# Altium PCB AATB-V2.PcbDoc (part 2 of 5) (continued)
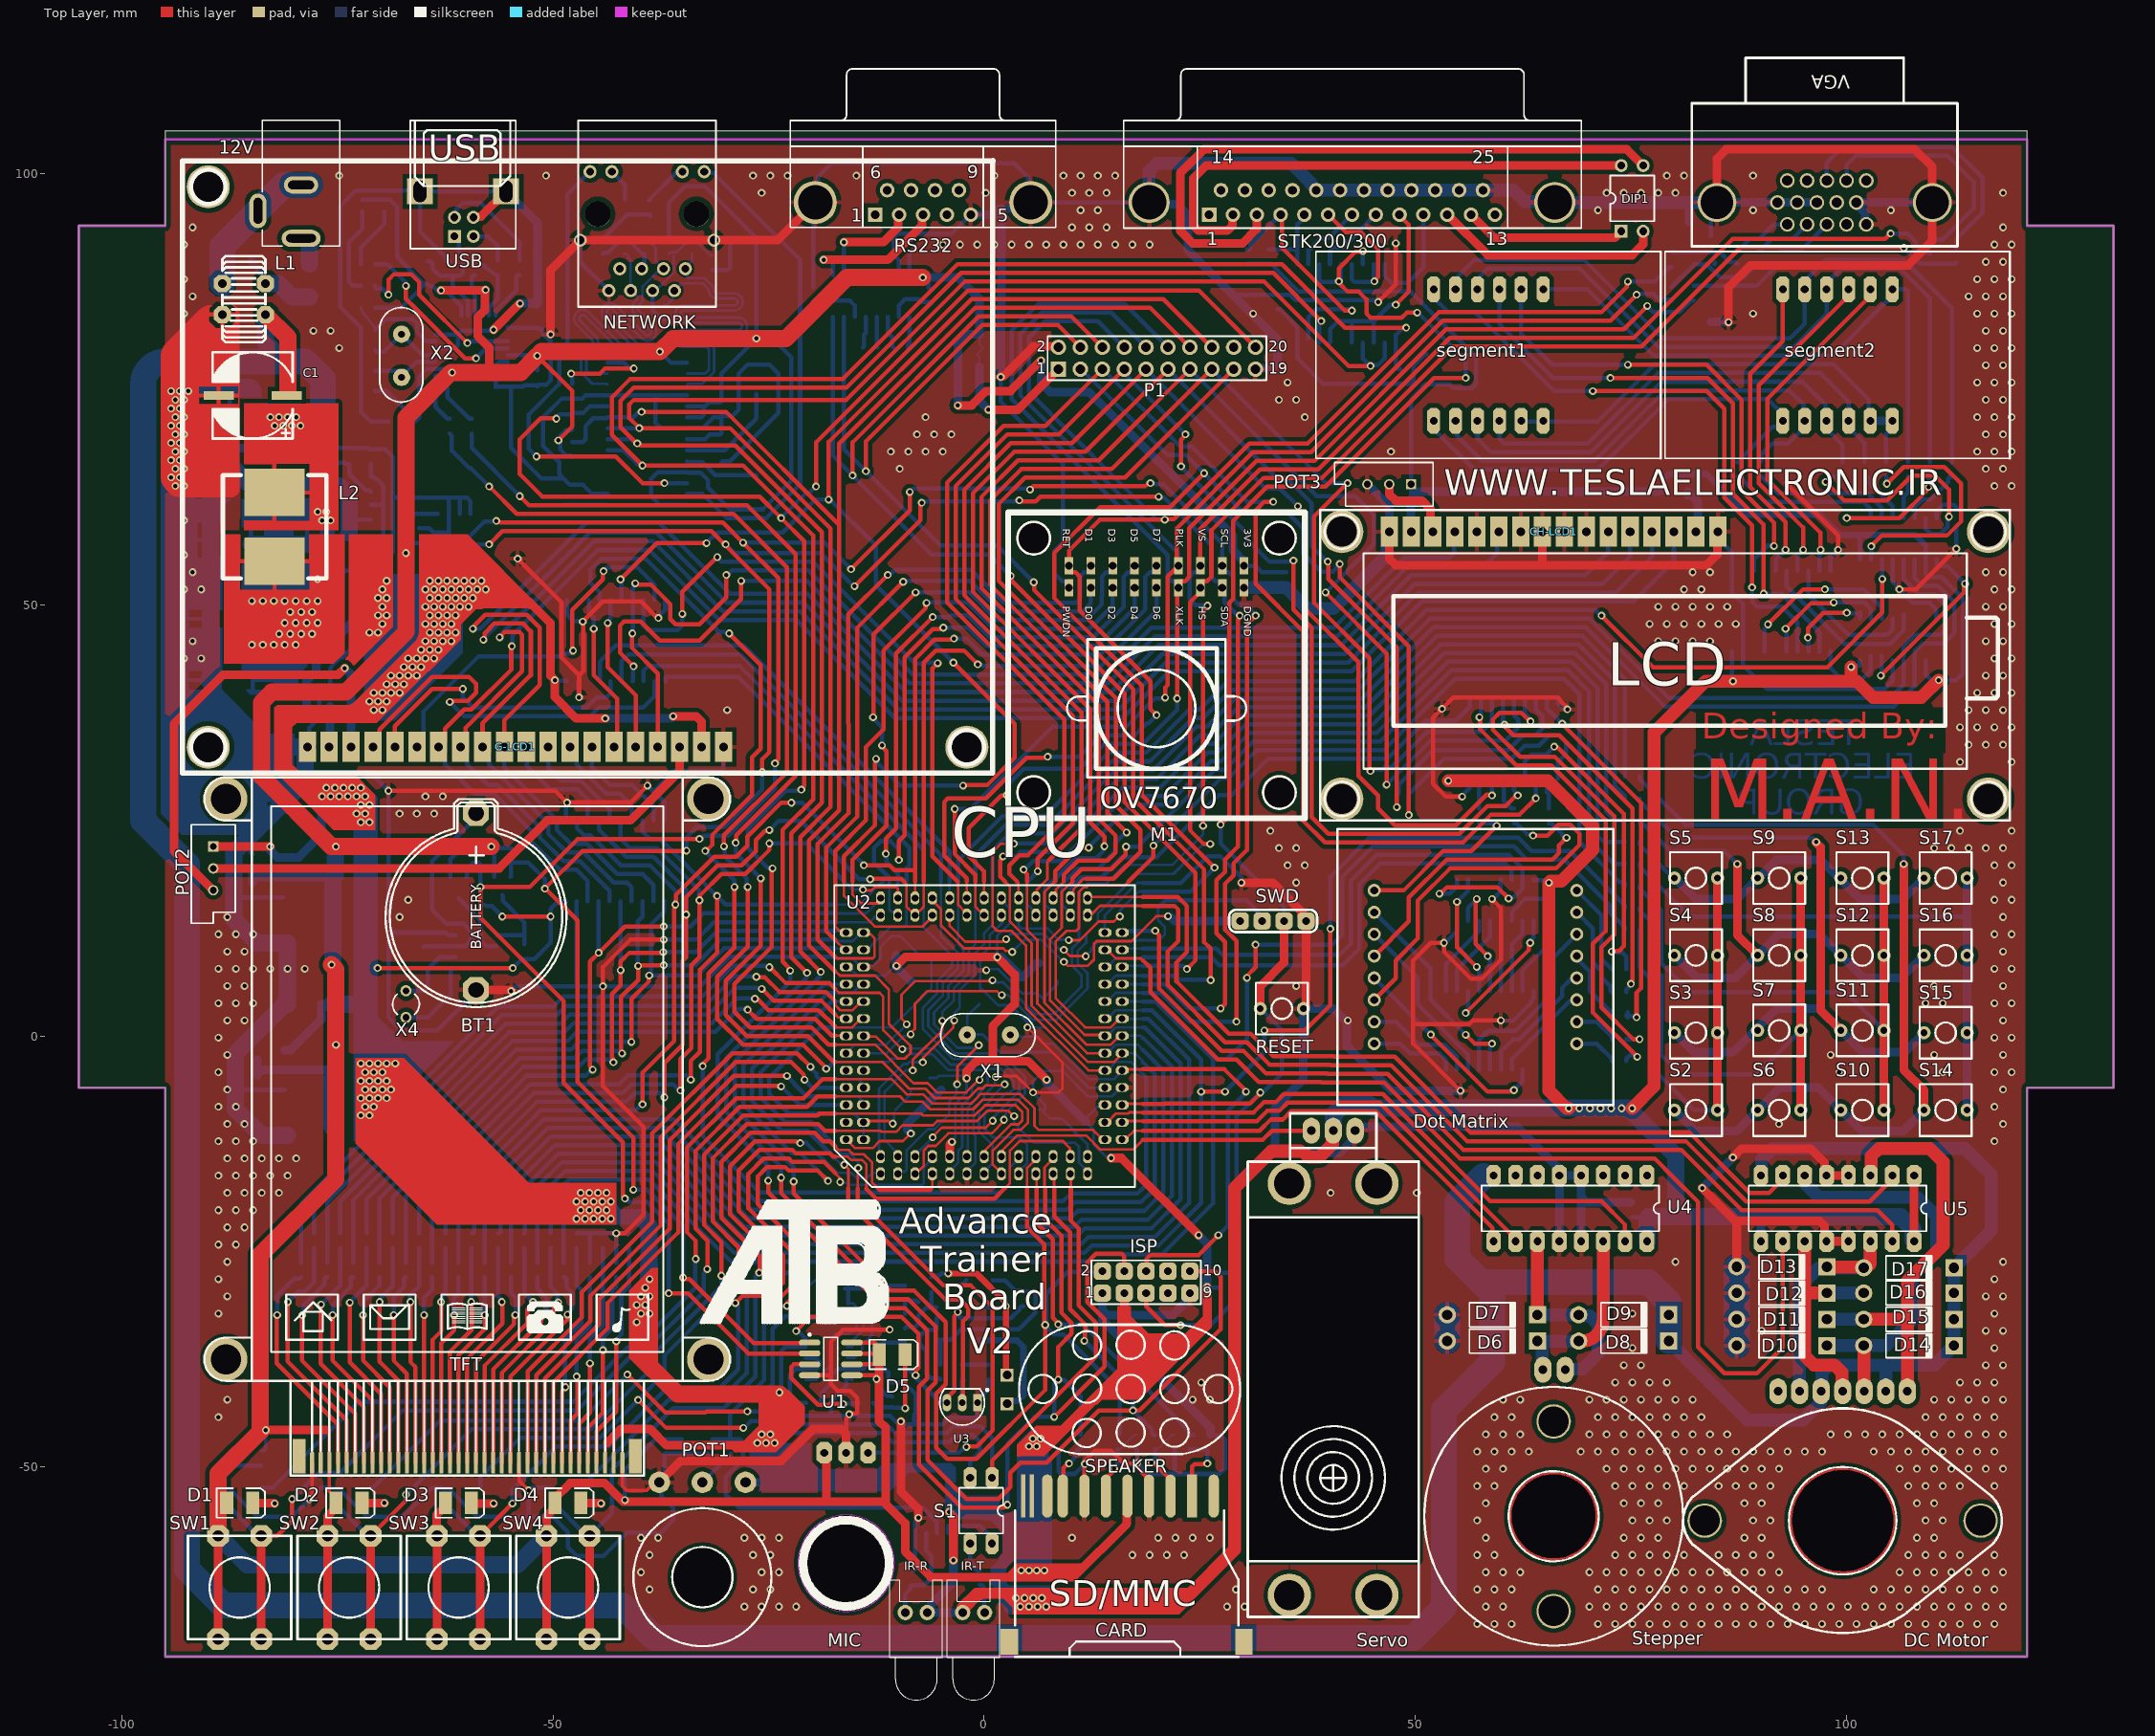
[diagram p0: Top Layer view]
## Nets (pads, with @x,y where several pads share a name; then routed paths per layer and width w, separated by ;. In a path a pad name is that pad's centre, name@x,y a point inside that pad or via, vN(x,y) a via of type N, cw(c..) or ccw(c..) an arc to the next point about the centre after c; other vN are vias at no path point) (continued)
  Bottom Layer w0.7: 78.228,63.128 R16.2@78.756,63.656 ; R16.2@78.91,63.128 78.91,64.686 79.384,65.16 83.816,65.16 88.524,60.452 97.028,60.452 99.35,58.13 101.374,58.13 107.986,58.13 109.216,56.9
  Bottom Layer w1: v1(-82.808,21.98) -82.756,21.928 -82.756,21.496 -81.984,20.724 U24.3@-81.284,20.724 -79.492,20.724 -76.886,23.33 -76.886,25.994 -76.836,26.044 C41.1@-75.636,26.044 ; U23.3@-81.136,-1.628 -80.436,-1.628 -76.886,1.922 -76.886,3.642 -76.836,3.692 C39.1@-75.636,3.692 ; R110.2@-78.57,38.236 -78.57,41.217 -77.562,42.225 C42.2@-77.562,42.3 -77.462,42.4 -77.462,43.201 -75.018,45.645 -75.018,46.255 -72.601,48.672 L7.2@-72.335,48.672 ; v1(-43.944,36.85) -36.302,36.85 v1(-36.068,37.084) ; POT1.2@-27.675,-51.412 POT1.2@-27.675,-51.775 -11.275,-51.775 -9.656,-50.156 -4.708,-50.156 -4.031,-50.833 v1(-4.031,-55.199) ; IR-R.1@-6.955,-66.875 IR-R.1@-6.807,-66.875 ; v1(-3.56,-60.824) -3.56,-63.364 -6.207,-66.011 -6.207,-66.275 IR-R.1@-6.807,-66.875 ; IR-T.2@-2.486,-66.875 IR-R.1@-6.596,-66.875 IR-R.1@-6.807,-66.875 ; CH-LCD1.2@49.5,58.5 49.52,58.52 49.52,62.282 50.366,63.128 78.228,63.128 ; 89.912,-21.2 106.536,-21.2 106.676,-21.2 107.69,-22.214 107.69,-22.354 107.69,-23.61 107.74,-23.66 U5.16@107.89,-23.81 ; U5.9@90.11,-23.81 90.11,-21.398
  Bottom Layer w2: C39.1@-75.636,3.692 -72.804,3.692 -71.632,4.864 ; -71.632,23.504 -71.632,4.864 ; -67.587,-4.925 -67.587,-2.054 -71.632,1.992 -71.632,4.864 ; -39.567,-21.279 -38.862,-21.984 -38.862,-27.686 ; Servo.2@40.5,-10.98 40.5,-9.152 41.672,-7.98 44.776,-7.98 45.153,-8.357 73.956,-8.357 74.705,-8.357 80.26,-13.912 80.26,-20.96 ; U4.16@76.89,-23.81 76.89,-21.154 77.084,-20.96 80.26,-20.96 ; U5.16@107.74,-23.66 107.74,-22.404 107.69,-22.354 106.536,-21.2 106.296,-20.96 80.26,-20.96
  other v1: 4.2,-66.2 5.2,-66.2 6.2,-66.2 7.2,-66.2 3.7,-65.2 4.7,-65.2 5.7,-65.2 6.7,-65.2 -26.3,-47.2 -25.3,-47.2 -24.3,-47.2 -25.8,-46.2 -24.8,-46.2 -40.3,-33.2 -39.8,-32.2 -38.8,-32.2 -40.3,-31.2 -39.3,-31.2 -39.8,-30.2 -38.8,-30.2 -39.3,-29.2 -38.8,-28.2 -47.3,-21.2 -46.3,-21.2 -45.3,-21.2 -44.3,-21.2 -43.3,-21.2 -46.8,-20.2 -45.8,-20.2 -44.8,-20.2 -43.8,-20.2 -47.3,-19.2 -46.3,-19.2 -45.3,-19.2 -44.3,-19.2 -43.3,-19.2 -46.8,-18.2 -45.8,-18.2 -44.8,-18.2 -43.8,-18.2 -72.3,-9.2 -71.3,-9.2 69.046,-8.382 70.273,-8.382 71.501,-8.382 72.729,-8.382 73.956,-8.382 -71.8,-8.2 -70.8,-8.2 -72.3,-7.2 -71.3,-7.2 -70.3,-7.2 -69.3,-7.2 -71.8,-6.2 -70.8,-6.2 -69.8,-6.2 -68.8,-6.2 -72.3,-5.2 -71.3,-5.2 -70.3,-5.2 -69.3,-5.2 -71.8,-4.2 -70.8,-4.2 -69.8,-4.2 -72.3,-3.2 -71.3,-3.2 -70.3,-3.2 -69.3,-3.2 -68.3,-3.2 -72.3,24.8 -71.3,24.8 -72.8,25.8 -71.8,25.8 -72.3,26.8 -71.3,26.8 -76.8,27.8 -75.8,27.8 -74.8,27.8 -73.8,27.8 -72.8,27.8 -71.8,27.8 -76.3,28.8 -75.3,28.8 -74.3,28.8 -73.3,28.8 -72.3,28.8 -70.8,37.8 -69.8,37.8 -71.3,38.8 -70.3,38.8 -69.3,38.8 -70.8,39.8 -69.8,39.8 -68.8,39.8 -67.8,39.8 -69.3,40.8 -68.3,40.8 -67.3,40.8 -68.8,41.8 -67.8,41.8 -66.8,41.8 -65.8,41.8 -67.3,42.8 -66.3,42.8 -65.3,42.8 -66.8,43.8 -65.8,43.8 -64.8,43.8 -63.8,43.8 -65.3,44.8 -64.3,44.8 -63.3,44.8 -64.8,45.8 -63.8,45.8 -62.8,45.8 -61.8,45.8 -71.3,46.8 -70.3,46.8 -64.3,46.8 -63.3,46.8 -62.3,46.8 -61.3,46.8 -69.8,47.8 -64.8,47.8 -63.8,47.8 -62.8,47.8 -61.8,47.8 -70.3,48.8 -69.3,48.8 -64.3,48.8 -63.3,48.8 -62.3,48.8 -61.3,48.8 -69.8,49.8 -64.8,49.8 -63.8,49.8 -62.8,49.8 -61.8,49.8 -60.8,49.8 -59.8,49.8 -70.3,50.8 -69.3,50.8 -64.3,50.8 -63.3,50.8 -62.3,50.8 -61.3,50.8 -60.3,50.8 -59.3,50.8 -69.8,51.8 -64.8,51.8 -63.8,51.8 -62.8,51.8 -61.8,51.8 -60.8,51.8 -59.8,51.8 -58.8,51.8 -57.8,51.8 -69.3,52.8 -64.3,52.8 -63.3,52.8 -62.3,52.8 -61.3,52.8 -60.3,52.8 -59.3,52.8 -58.3,52.8
+12V: "DC Motor.2" "DC Motor.5" C1.1 D8.2 D9.2 D14.2 D15.2 D16.2 D17.2 L1.1 U4.8 U5.8 U25.1 | length 512.2
  Top Layer w2: L1.1@-83.356,83.653 -80.776,81.073 -80.776,74.812
  Bottom Layer w1.5: D8.2@79.426,-35.392 88.602,-44.568 94.992,-44.568 97,-42.56 97,-41.316 97.192,-41.124 97.192,-39.037 98.07,-38.158 110.252,-38.158 112.252,-36.158 D14.2@112.502,-35.908 D15.2@112.502,-32.86 D16.2@112.502,-29.812 D17.2@112.502,-26.891 116.836,-22.557 116.836,-16.12 113.788,-13.072 91.436,-13.072 90.21,-14.298 90.21,-16.09 U5.8@90.11,-16.19 ; 104.596,-41.22 104.644,-41.172 104.644,-38.472
  Bottom Layer w2: L1.1@-83.356,83.653 -83.356,80.44 -81.792,78.876 ; -76.712,72.272 -76.712,73.796
  Bottom Layer w3: -76.712,73.796 -76.712,76.204 -78.74,78.232 -94.996,78.232 ccw(c-94.996,75.692) -97.536,75.692 -97.536,24.98 -92.46,19.904 -92.46,-61.855 -88.276,-66.039 -42.033,-66.039 -38.222,-69.85 49.78,-69.85 53.336,-66.294 53.336,-43.438 58.924,-37.85 58.924,-29.836 57.66,-28.573 ; 57.912,-16.256 54.864,-19.304 54.864,-25.776 57.66,-28.573 ; D8.2@79.426,-35.392 D9.2@79.426,-32.344 79.426,-30.912 77.087,-28.573 57.66,-28.573
A: R2.1 segment1.10 segment2.10 | length 90.4
  Bottom Layer w0.5: segment1.10@54.69,86.62 54.961,86.891 54.961,88.121 56.892,90.052 69.592,90.052 78.736,80.908 93.468,80.908 95.19,82.63 segment2.10@95.19,86.62 95.19,87.599 97.627,90.036 106.67,90.036 112.264,84.442 R2.1@112.264,66.518
A1: segment2.7 U7.9@96.901,53.976 | length 40.2
  Top Layer w0.5: v1(97.028,56.388) 97.028,58.379 90.88,64.527 90.88,73.94 102.81,85.87 segment2.7@102.81,86.62
  Bottom Layer w0.5: U7.9@96.901,53.976 96.901,56.153 97.028,56.28 v1(97.028,56.388)
A2: segment2.8 U7.7@94.361,53.976 | length 39.3
  Top Layer w0.5: v1(94.996,56.388) 94.996,58.997 89.88,64.113 89.88,75.48 100.27,85.87 segment2.8@100.27,86.62
  Bottom Layer w0.5: U7.7@94.361,53.976 94.361,55.753 v1(94.996,56.388)
A3: segment2.11 U7.5@91.821,53.976 | length 36.4
  Top Layer w0.5: segment2.11@92.65,86.62 92.65,80.598 88.88,76.828 88.88,63.699 92.964,59.615 v1(92.964,56.388)
  Bottom Layer w0.5: U7.5@91.821,53.976 91.84,53.995 91.84,55.264 v1(92.964,56.388)
A4: segment1.7 U7.3@89.281,53.976 | length 56.7
  Top Layer w0.5: v1(74.672,77.86) 83.816,77.86 87.88,73.796 87.88,63.284 91.624,59.54 v1(91.624,56.83)
  Bottom Layer w0.5: segment1.7@62.31,86.62 62.31,81.454 65.904,77.86 v1(74.672,77.86) ; U7.3@89.281,53.976 89.3,53.995 89.3,55.264 90.932,56.896 91.558,56.896 v1(91.624,56.83)
A5: segment1.8 U7.12@96.901,44.576 | length 69.6
  Top Layer w0.5: v1(72.64,76.336) 83.926,76.336 86.864,73.398 86.864,62.886 90.424,59.326 v1@90.424,51.328
  Bottom Layer w0.5: segment1.8@59.77,87.141 59.77,82.58 66.014,76.336 v1(72.64,76.336) ; v1(90.424,51.308) 92.456,51.308 96.901,46.863 U7.12@96.901,44.576
A6: segment1.11 U7.14@94.361,44.576 | length 73.9
  Top Layer w0.5: v1(70.608,74.812) 83.832,74.812 85.864,72.78 85.864,62.472 89.084,59.252 v1(89.084,52.042)
  Bottom Layer w0.5: segment1.11@52.15,87.088 52.15,85.65 53.844,83.956 56.98,83.956 66.124,74.812 v1(70.608,74.812) ; v1(89.084,52.042) 89.084,50.401 89.701,49.784 92.566,49.784 94.361,47.989 U7.14@94.361,44.576
ADC_LEVEL: C26.2 R57.1 U2.82 U14.2 | length 117
  Top Layer w0.5: v1(-22.864,-31.312) -22.787,-31.235 -22.787,-30.915 -21.336,-29.464 -21.336,-24.384 -26.237,-19.483 -26.237,-16.286 -25.179,-15.228 -23.061,-15.228 -22.661,-15.627 -19.291,-15.627 v1(-18.106,-16.812)
  Bottom Layer w0.3: -17.276,6 U2.82@-16,6
  Bottom Layer w0.5: C26.2@-31.5,-46.766 R57.1@-29.468,-46.766 ; v1(-22.864,-31.312) -22.941,-31.389 -23.37,-31.389 -25.542,-33.561 -25.542,-39.932 -29.468,-43.858 R57.1@-29.468,-46.766 ; v1(-18.106,-16.812) -21.291,-13.627 -22.262,-13.627 -27.912,-7.977 -27.912,-3.368 -18.544,6 -17.276,6 ; U14.2@-5.465,-57.636 -5.484,-57.617 -5.484,-56.325 -7.123,-54.686 -28.494,-54.686 -29.976,-53.204 -29.976,-51.172 -27.944,-49.14 -27.944,-47.108 -28.286,-46.766 R57.1@-29.468,-46.766
ADC_MIC: MIC.2 U2.84 | length 85.8
  Top Layer w0.3: -14.65,-17.667 -14.65,-17.28 -14.65,-15.366 v1(-14.6,-15.316)
  Top Layer w0.5: -14.65,-17.667 -14.65,-19.009 -4.721,-28.938 -1.542,-28.938 1.012,-31.492 1.012,-45.724 -0.858,-47.594 -1.959,-47.594 v1(-2.036,-47.671)
  Bottom Layer w0.3: -17.276,-12.783 -17.276,-12.925 -16.518,-13.682 -15.53,-13.682 -14.6,-14.613 v1(-14.6,-15.316) ; -17.276,4 U2.84@-16,4
  Bottom Layer w0.5: -17.276,-12.783 -20.051,-10.008 -23.053,-10.008 -25.912,-7.149 -25.912,-4.196 -17.716,4 -17.276,4 ; MIC.2@-13.46,-48.352 -2.925,-48.352 -2.244,-47.671 v1(-2.036,-47.671)
AVCC: C5.1 C6.1 L3.1 U2.100 | length 15.5
  Top Layer w0.3: U2.100@-16,-12 -15.912,-12 -15.469,-12.444 -15.469,-12.505 -14.973,-13 -12.925,-13 -12.117,-12.192 -9.403,-12.192 -8.526,-11.315 v1(-8.497,-11.315)
  Bottom Layer w1: v1(-8.497,-11.315) -8.89,-10.922 -8.89,-10.162 -6.841,-8.113 L3.1@-4.971,-6.243
B: R5.2 segment1.6 segment2.6 | length 69.6
  Bottom Layer w0.5: segment1.6@64.85,86.099 segment1.6@64.85,86.62 69.976,86.62 77.688,78.908 98.388,78.908 105.35,85.87 segment2.6@105.35,86.62 106.928,86.62 107.184,86.364 R5.2@107.184,66.576
C: R7.2 segment1.3 segment2.3 | length 56.6
  Bottom Layer w0.5: segment1.3@59.27,72.401 59.77,71.901 segment1.3@59.77,71.38 59.77,69.262 60.316,68.716 69.99,68.716 78.182,76.908 96.96,76.908 100.27,73.598 segment2.3@100.27,71.38 100.27,70.63 102.104,68.796 R7.2@102.104,66.576
CGND: C29.1 C31.2 C32.2 C33.1 C34.1 C35.1 L5.2 U20.29 U20.31 USB.4 USB.5 | length 98.1
  Top Layer w1: USB.4@-59.24,94.966 -59.144,95.062 -58.344,95.062 USB.5@-55.44,97.966 ; v1(-56.9,81.924) -53.856,84.968 v1(-53.848,84.968)
  Bottom Layer w0.5: C31.2@-69.093,71.256 -71.124,71.256 -72.316,72.448 C32.2@-72.316,74.812 C33.1@-72.316,77.183 C34.1@-72.316,79.553 C35.1@-72.316,81.924 -72.316,82.199 -74.68,84.563 -74.68,96.261 -72.851,98.09 -66.69,98.09 -66.69,98.18 -66.67,98.2 -66.67,99.196 USB.5@-65.44,97.966 ; U20.29@-63.64,79.784 -61.365,79.784 -61.033,80.116 -61.033,80.849 -60.996,80.886 -60.996,81.384 ; U20.31@-63.64,81.384 -60.996,81.384 ; C29.1@-61.98,89.886 -62.255,89.886 -62.405,90.036 -62.405,90.311 -65.44,93.346 USB.5@-65.44,97.966 ; v1(-56.9,81.924) -57.024,81.8 -60.58,81.8 -60.996,81.384 ; USB.5@-55.44,97.966 USB.5@-65.44,97.966 ; L5.2@-52.107,85.019 -52.328,84.798 -51.995,84.798 -51.995,84.573 -51.766,84.705 L5.2@-51.659,84.766 ; L5.2@-51.82,84.798 L5.2@-51.82,85.052
  Bottom Layer w1: USB.5@-55.44,97.966 -51.82,94.346 -51.82,85.052 -51.853,85.019 -52.107,85.019 -53.796,85.019 v1(-53.848,84.968)
CLCD-EN: P1.16 U2.70 U18.6 | length 178.4
  Top Layer w0.3: -16.26,17.916 -16.26,16.26 -12.7,12.7 -7.112,12.7 U2.70@-5.816,13.996
  Top Layer w0.5: v1(-42.168,52.968) -37.965,57.171 v1(-32.211,57.171) ; v1(-18.016,62.217) -18.016,68.923 -1.443,85.496 20.808,85.496 P1.16@26.412,79.892 ; -16.26,17.916 -16.26,20.854 -12.684,24.43 -12.684,31.693 -12.597,31.781 -12.597,32.063 v1(-12.52,32.14) ; v1(-3.56,43.316) 3.552,36.204 3.552,32.288 0.356,29.092 -2.388,29.092 v1(-2.43,29.05)
  Bottom Layer w0.5: v1(-42.168,52.968) -42.041,52.841 U18.6@-42.041,50.556 ; v1(-32.211,57.171) -30.962,58.42 -23.368,58.42 -19.571,62.217 v1(-18.016,62.217) v1@-17.784,62.217 ; v1@-17.784,62.112 -12.565,56.893 -12.565,52.321 v1(-3.56,43.316) ; v1(-12.52,32.14) -12.443,32.063 -12.443,31.747 -9.746,29.05 v1(-2.43,29.05)
CLCD-EN-TTL: CH-LCD1.6 U18.14 | length 127.8
  Top Layer w0.5: v1(-40.656,42.893) -42.252,44.489 -42.252,47.595 -41.761,48.086 -39.826,48.086 -37.612,45.872 -33.008,45.872 -28.185,50.695 v1(-28.185,52.786)
  Bottom Layer w0.5: U18.14@-40.771,41.156 -40.752,41.175 -40.752,42.797 v1(-40.656,42.893) ; v1(-28.185,52.786) -20.54,52.786 -8.674,40.92 -0.72,40.92 0.936,40.92 14.392,40.92 19.822,46.35 40.99,46.35 49.118,54.478 57.978,54.478 59.5,56 CH-LCD1.6@59.5,58.5
D: R13.2 segment1.1 segment2.1 | length 57.9
  Bottom Layer w0.5: segment1.1@54.69,71.901 54.853,71.739 54.853,69.607 57.744,66.716 70.819,66.716 79.011,74.908 93.372,74.908 95.077,73.203 95.077,71.493 segment2.1@95.19,71.38 95.19,70.63 93.276,68.716 91.436,68.716 90.153,67.433 90.153,66.726 90.003,66.576 R13.2@89.912,66.576
DATA0: M1.3 R105.2 U2.78 U19.11 | length 157.3
  Top Layer w0.3: -17.276,11.13 -16.146,10 U2.78@-16,10
  Top Layer w0.5: v1(-40.903,-0.692) -40.903,4.309 -38.872,6.34 -38.872,6.988 v1(-38.848,7.012) ; -17.276,11.13 -18.292,12.146 -18.292,21.87 -14.736,25.426 -14.736,47.343 v1(-9.384,52.696)
  Bottom Layer w0.3: -17.276,10.176 -17.244,10.176 -17.214,10.146 -16.146,10.146 U2.78@-16,10
  Bottom Layer w0.5: R105.2@-71.632,-22.89 -71.632,-18.923 -54.297,-1.588 -47.893,-1.588 -46.997,-0.692 v1(-40.903,-0.692) ; U19.11@-37.089,15.629 -37.108,15.61 -37.108,14.449 -38.608,12.949 -38.608,7.36 -38.848,7.121 v1(-38.848,7.012) -33.308,7.012 -30.144,10.176 -17.276,10.176 ; v1(-9.384,52.696) -9.25,52.829 -1.672,52.829 1.907,49.25 11.408,49.25 12.38,50.222 M1.3@12.38,52
DATA1: M1.4 R99.2 U2.77 U19.13 | length 174.9
  Top Layer w0.3: -17.276,9.148 -17.128,9 -12.925,9 -12.7,9.225 -12.7,11.34 -13.172,11.812 -13.4,11.812 U2.77@-13.496,11.908
  Top Layer w0.5: v1(-41.98,-2.032) -42.057,-1.955 -42.057,-1.673 -42.103,-1.626 -42.103,4.523 -40.132,6.494 v1(-40.132,8.128) -40.055,8.205 -39.353,8.205 -39.345,8.212 v1(-37.16,8.212) ; -17.276,9.148 -19.308,11.18 -19.308,22.268 -15.736,25.84 -15.736,36.188 -15.752,36.204 -15.752,48.904 v1(-11.18,53.476)
  Bottom Layer w0.3: -17.276,11.176 -17.244,11.176 -17.068,11 -15.25,11 -14.114,12.136 U2.77@-14.01,12.136
  Bottom Layer w0.5: R99.2@-70.108,-26.28 -70.108,-18.813 -53.883,-2.588 -47.479,-2.588 -46.603,-1.712 -42.408,-1.712 -42.088,-2.032 v1(-41.98,-2.032) ; v1(-40.132,8.128) -40.159,8.155 -40.159,13.321 -39.628,13.852 U19.13@-39.629,15.629 ; v1(-37.16,8.212) -33.522,8.212 -30.559,11.176 -17.276,11.176 ; v1(-11.18,53.476) -10.972,53.476 -10.367,54.081 -1.51,54.081 2.321,50.25 10.651,50.25 11.13,50.729 11.13,53.311 11.609,53.79 12.13,53.79 12.38,54.04 M1.4@12.38,54.54
DATA2: M1.5 R98.2 U2.76 U19.15 | length 154.3
  Top Layer w0.3: -17.276,13.138 -17.276,12.704 -16.76,12.188 -16.188,12.188 U2.76@-16,12
  Top Layer w0.5: v1(-43,-3.048) -43.077,-2.971 -43.077,-2.633 -43.18,-2.529 -43.18,4.86 -42.164,5.876 -42.164,8.636 -41.14,9.66 -37.291,9.66 v1(-37.214,9.737) ; -17.276,13.138 -17.276,21.472 -13.72,25.028 -13.72,33.524 -11.684,35.56 -11.684,44.704 -6.77,49.618 -6.77,50.167 v1(-6.693,50.244)
  Bottom Layer w0.3: -17.276,12.208 -15.717,12.208 U2.76@-15.642,12.282
  Bottom Layer w0.5: R98.2@-68.584,-22.89 -68.584,-18.703 -53.469,-3.588 -47.065,-3.588 -46.189,-2.712 -43.444,-2.712 -43.108,-3.048 v1(-43,-3.048) ; U19.15@-42.169,15.629 -42.169,7.625 v1(-42.164,7.62) ; v1(-37.214,9.737) -33.412,9.737 -30.941,12.208 -17.276,12.208 ; v1(-6.693,50.244) -6.648,50.289 -1.961,50.289 1.078,47.25 12.237,47.25 14.92,49.933 M1.5@14.92,52
DATA3: M1.6 R97.2 U2.75 U19.17 | length 163.4
  Top Layer w0.3: -15.26,17.916 -15.26,16.398 -14.238,15.376 -12.256,15.376 U2.75@-11.934,15.698
  Top Layer w0.5: v1(-45.4,-3.912) -45.4,-3.804 -45.724,-3.48 -45.724,8.632 v1(-44.704,9.652) -41.656,12.7 v1(-37.16,12.7) ; -15.26,17.916 -15.26,20.44 -11.32,24.38 -11.32,33.056 -11.851,33.587 v1(-11.851,33.695) ; v1(-12.884,36.966) -12.807,37.042 -12.807,46.581 v1(-7.944,51.444)
  Bottom Layer w0.3: -17.276,14.224 -13.678,14.224 U2.75@-11.766,16.136
  Bottom Layer w0.5: R97.2@-67.06,-26.28 -67.06,-18.593 -53.055,-4.588 -46.184,-4.588 -45.508,-3.912 v1(-45.4,-3.912) ; U19.17@-44.709,15.629 -44.706,15.626 -44.706,9.654 v1(-44.704,9.652) ; v1(-37.16,12.7) -34.066,12.7 -32.542,14.224 -17.276,14.224 ; v1(-12.884,36.966) -12.884,36.858 -11.851,35.825 v1(-11.851,33.695) ; v1(-7.944,51.444) -1.701,51.444 1.493,48.25 11.822,48.25 13.63,50.058 13.63,50.978 13.67,51.018 13.67,53.311 14.149,53.79 14.67,53.79 14.92,54.04 M1.6@14.92,54.54
DATA4: M1.7 R96.2 U2.74 U19.8 | length 170.5
  Top Layer w0.5: v1(-34.02,-5.08) -34.04,-5.06 -34.04,-2.912 -32.96,-1.832 -32.96,7.68 -30.988,9.652 v1(-30.988,16.256) ; v1(-9.879,20.425) -9.879,22.633 -9.208,23.304 -9.208,43.945 -5.938,47.215 -4.877,47.215 v1(-4.731,47.361)
  Bottom Layer w0.3: -17.276,15.24 -14.467,15.24 -11.791,17.916 ; -11,17.916 -11,14.688 -10.674,14.362 -9.876,14.362 U2.74@-9.65,14.136
  Bottom Layer w0.5: R96.2@-65.536,-22.89 -65.536,-18.484 -52.64,-5.588 -42.304,-5.588 -41.263,-4.547 -40.722,-4.547 -40.715,-4.541 -34.529,-4.541 -34.02,-5.05 v1(-34.02,-5.08) ; U19.8@-39.629,25.029 -39.61,25.01 -39.61,23.696 -38.694,22.78 -37.512,22.78 v1(-30.988,16.256) -29.972,15.24 -17.276,15.24 ; -11.791,17.916 -11.353,18.354 -11,18.354 ; -11,17.916 -11,18.354 ; v1(-9.879,20.425) -9.879,21.626 -10.848,22.595 -11.979,22.595 -12.753,21.821 -12.753,20.107 -11.176,18.531 -11,18.354 ; v1(-4.731,47.361) -1.861,47.361 0.25,45.25 13.065,45.25 17.46,49.645 M1.7@17.46,52
DATA5: M1.8 R95.1 U2.73 U19.6 | length 176.1
  Top Layer w0.3: v1(-14.06,16.99) -13.945,16.876 -13.096,16.876 -12.7,17.272 -10.176,17.272 -10,17.096 U2.73@-10,16
  Top Layer w0.5: v1(-35.22,-6.321) -35.22,-2.677 -33.96,-1.418 -33.96,8.204 -33.02,9.144 v1@-33.02,15.834 ; v1(-33.02,15.748) -32.943,15.825 -32.943,16.333 -30.483,18.793 -27.706,18.793 -24.896,21.603 v1(-24.896,22.344) ; v1(-11.4,21.139) -11.4,22.886 -10.208,24.077 -10.208,44.359 v1(-5.964,48.603)
  Bottom Layer w0.3: -16.198,17.916 -15.272,16.99 v1(-14.06,16.99) ; -10,17.916 -10,16.486 U2.73@-9.65,16.136
  Bottom Layer w0.5: R95.1@-64.012,-26.28 -64.012,-18.374 -52.275,-6.637 -41.939,-6.637 -40.906,-5.604 -36.045,-5.604 -35.328,-6.321 v1(-35.22,-6.321) ; U19.6@-42.169,25.029 -42.169,22.865 -41.084,21.78 -37.926,21.78 -33.094,16.948 -33.094,15.822 v1(-33.02,15.748) ; v1(-24.896,22.344) -20.626,22.344 -16.198,17.916 ; v1(-11.4,21.139) -11.324,21.062 -11.324,20.165 -10,18.841 -10,17.916 ; v1(-5.964,48.603) -4.007,48.603 -3.819,48.791 -1.877,48.791 0.664,46.25 12.651,46.25 16.172,49.771 16.172,53.273 16.689,53.79 17.21,53.79 17.46,54.04 M1.8@17.46,54.54
DATA6: M1.9 R93.1 U2.72 U19.4 | length 177.4
  Top Layer w0.3: -9.287,17.916 -8.994,17.623 -8.994,16.713 -9,16.707 -9,15.03 -9,15 -8.75,14.75 -8.729,14.729 -8.539,14.539 ; -8.518,14.518 -8.4,14.518 -8.335,14.453 U2.72@-7.84,14.453 ; U2.72@-8.4,14.488 U2.72@-8,14.088 ; -7,17.916 -7,15 -7.482,14.518 -7.57,14.518 U2.72@-8,14.088 ; U2.72@-8,14.088 U2.72@-8,14 U2.72@-8,14.088
  Top Layer w0.5: v1(-37.084,-7.112) -37.084,-3.128 -34.96,-1.004 -34.96,8.728 -34.598,9.09 v1@-34.598,14.008 ; v1@-34.598,14.041 -34.598,16.092 -30.897,19.793 -28.12,19.793 -26.483,21.43 -26.483,22.716 -25.4,23.799 -24.969,23.799 v1(-24.892,23.876) ; v1(-13.216,18.183) -13.174,18.225 -9.596,18.225 -9.287,17.916 ; -7,17.916 -7,20.45 -7,43.324 -5.62,44.704 -2.315,44.704 v1(-0.731,43.12)
  Bottom Layer w0.5: R93.1@-62.488,-22.89 -62.488,-18.264 -51.861,-7.637 -41.525,-7.637 -40.492,-6.604 -37.592,-6.604 v1(-37.084,-7.112) ; U19.4@-44.709,25.029 -44.69,25.01 -44.69,23.972 -41.498,20.78 -38.34,20.78 -34.561,17 v1(-34.561,14.079) ; v1(-24.892,23.876) -23.832,24.936 -21.248,24.936 -14.495,18.183 v1(-13.216,18.183) ; v1(-0.731,43.12) -0.655,43.043 -0.305,43.043 -0.182,42.92 0.108,42.92 13.563,42.92 20,49.357 M1.9@20,52
DATA7: M1.10 R91.1 U2.71 U19.2 | length 176.7
  Top Layer w0.3: U2.71@-8,16 -8,17.804
  Top Layer w0.5: v1(-39.624,-7.926) -39.624,-4.253 -35.96,-0.589 -35.96,14.798 -35.875,14.883 -35.875,15.166 v1(-35.798,15.243) ; v1@-35.722,15.243 -35.722,16.383 -31.311,20.793 -28.755,20.793 -27.483,22.065 -27.483,23.13 -23.556,27.057 -22.359,27.057 v1(-22.356,27.06) ; v1(-13.953,19.818) -10.977,19.818 -10.384,19.225 -8.112,19.225 ; -8,17.916 -8,19.225 -8,43.739 -5.763,45.976 -3.613,45.976 v1(-3.479,46.109)
  Bottom Layer w0.5: R91.1@-60.964,-26.28 -60.964,-18.154 -51.447,-8.637 -40.443,-8.637 -39.732,-7.926 v1(-39.624,-7.926) ; U19.2@-47.249,25.029 -47.23,25.01 -47.23,24.095 -46.414,23.279 -45.631,23.279 -42.132,19.78 -38.755,19.78 -35.761,16.786 -35.761,15.281 v1(-35.798,15.243) ; v1(-22.356,27.06) -21.11,27.06 -13.953,19.903 v1(-13.953,19.818) ; v1(-3.479,46.109) -2.023,46.109 -0.164,44.25 13.479,44.25 18.71,49.481 18.71,53.271 19.229,53.79 19.75,53.79 20,54.04 M1.10@20,54.54
DATA8: R26.1 R89.1 U2.35 | length 239.6
  Top Layer w0.3: v1(3.457,22.3) 1.948,22.3 1,21.352 1,17.916 1,12.716 1.524,12.192 3.182,12.192 4.868,10.506 4.868,3.236 12.104,-4 U2.35@14.368,-4
  Bottom Layer w0.3: U2.35@14.504,-3.864 14.504,-3.789 15.293,-3 16.977,-3 18.432,-4.455 ; 18.401,-17.667 18.432,-17.636
  Bottom Layer w0.5: R89.1@-59.44,-22.89 -59.296,-22.89 -59.146,-22.74 -59.146,-17.751 -51.032,-9.637 -36.006,-9.637 -26.475,-19.168 9.173,-19.168 10.053,-18.288 17.78,-18.288 18.401,-17.667 ; v1(3.457,22.3) 3.509,22.352 8.124,22.352 15.632,29.86 20.062,29.86 25.069,34.867 26.242,34.867 29.515,38.14 44.275,38.14 52.547,46.412 69.371,46.412 74.33,41.453 R26.1@74.33,30.108 ; 18.432,-17.636 18.792,-17.276 18.792,-4.815 18.432,-4.455
DATA9: R25.1 R84.1 U2.36 | length 242
  Top Layer w0.3: 2.431,17.916 3,17.347 3,13.293 5.518,10.775 5.518,3.505 12.023,-3 15.118,-3 U2.36@16.254,-1.864
  Top Layer w0.5: v1(2.2,20.828) 2.2,20.72 1.9,20.42 1.9,18.447 2.193,18.154 2.431,17.916
  Bottom Layer w0.3: U2.36@16,-2 17.5,-2 18.432,-2.932
  Bottom Layer w0.345: 18.432,-3.041 18.432,-2.932
  Bottom Layer w0.5: R84.1@-57.916,-26.28 -57.916,-17.935 -50.618,-10.637 -36.42,-10.637 -26.889,-20.168 9.587,-20.168 10.467,-19.288 17.686,-19.288 18.194,-19.288 19.792,-17.69 19.792,-17.182 19.792,-16.307 19.792,-4.401 18.432,-3.041 ; v1(2.2,20.828) 3.683,20.828 4.191,21.336 8.523,21.336 16.047,28.86 20.476,28.86 25.483,33.867 26.656,33.867 29.929,37.14 44.689,37.14 52.961,45.412 68.957,45.412 73.148,41.221 73.148,29.025 74.33,27.843 R25.1@74.33,27.568
DATA10: R24.1 R82.1 U2.37 | length 235.8
  Top Layer w0.3: 5,17.916 5,12.292 6.168,11.124 6.168,3.774 11.942,-2 U2.37@14.368,-2
  Top Layer w0.5: v1(4.572,19.304) 4.572,19.196 5,18.768 5,17.916
  Bottom Layer w0.3: U2.37@14.504,-1.864 14.504,-1.789 15.293,-1 17.805,-1 18.432,-1.627
  Bottom Layer w0.5: R82.1@-56.392,-22.89 -56.245,-22.89 -56.095,-22.74 -56.095,-17.528 -50.204,-11.637 -36.834,-11.637 -27.303,-21.168 10.001,-21.168 10.881,-20.288 18.1,-20.288 18.608,-20.288 20.792,-18.104 20.792,-17.596 20.792,-16.721 20.792,-3.987 18.432,-1.627 ; v1(4.572,19.304) 4.68,19.304 5.696,20.32 8.921,20.32 16.461,27.86 20.89,27.86 25.897,32.867 27.07,32.867 30.343,36.14 45.103,36.14 53.375,44.412 68.543,44.412 72.148,40.807 72.148,26.028 73.148,25.028 R24.1@74.33,25.028
DATA11: R23.1 R80.2 U2.38 | length 236.7
  Top Layer w0.3: 8.199,17.916 7,16.717 7,3.862 11.862,-1 14.707,-1 15.707,0 U2.38@16,0
  Top Layer w0.5: 8.199,17.916 8.264,17.982 8.264,19.123 10.942,21.8 12.098,21.8 v1(12.142,21.844)
  Bottom Layer w0.3: U2.38@16.504,0.125 16.6,0.029 18.19,0.029 18.432,-0.213
  Bottom Layer w0.5: R80.2@-54.868,-26.28 -54.868,-17.715 -49.79,-12.637 -37.249,-12.637 -27.718,-22.168 10.415,-22.168 11.295,-21.288 18.515,-21.288 19.023,-21.288 21.792,-18.519 21.792,-18.011 21.792,-17.135 21.792,-3.573 18.432,-0.213 ; v1(12.142,21.844) 12.142,21.931 17.07,26.86 21.305,26.86 26.312,31.867 27.484,31.867 30.757,35.14 45.517,35.14 53.789,43.412 68.128,43.412 71.148,40.392 71.148,23.252 71.912,22.488 R23.1@74.33,22.488
DATA12: R22.1 R77.2 U2.39 | length 232.6
  Top Layer w0.3: 10.229,17.916 10.229,17.905 9.574,17.25 9.543,17.25 9,16.707 9,12.556 7.65,11.206 7.65,4.131 11.645,0.136 U2.39@14.504,0.136
  Top Layer w0.5: 10.229,17.916 10.229,18 10.264,18.036 10.264,18.294 11.318,19.348 14.731,19.348 16.396,21.013 16.396,21.883 v1(16.472,21.959)
  Bottom Layer w0.3: U2.39@14.504,0.136 14.504,0.211 15.293,1 16.707,1 18.432,1
  Bottom Layer w0.5: R77.2@-53.344,-22.89 -53.266,-22.812 -53.266,-17.528 -49.376,-13.637 -37.663,-13.637 -28.132,-23.168 10.83,-23.168 11.71,-22.288 18.929,-22.288 19.437,-22.288 22.792,-18.933 22.792,-18.425 22.792,-17.55 22.792,-3.159 18.633,1 18.432,1 ; v1(16.472,21.959) 17.818,21.959 26.726,30.867 27.899,30.867 31.172,34.14 45.931,34.14 54.203,42.412 67.714,42.412 70.148,39.978 70.148,22.838 73.038,19.948 R22.1@74.33,19.948
DATA13: R21.1 R76.2 U2.40 | length 235.5
  Top Layer w0.3: U2.40@16,2 15.707,2 14.707,1 11.7,1 8.3,4.4 8.3,10.937 9.555,12.192 10.668,12.192 11,12.524 11,16.707 11.543,17.25 11.911,17.25 12.136,17.475 16.319,17.475 16.76,17.916
  Top Layer w0.5: 16.76,17.916 19.65,20.806 v1(19.65,22.094)
  Bottom Layer w0.3: U2.40@16.504,2.136 16.64,2 18.432,2
  Bottom Layer w0.5: R76.2@-51.82,-26.28 -51.82,-17.496 -48.961,-14.637 -38.077,-14.637 -28.546,-24.168 11.244,-24.168 12.124,-23.288 19.343,-23.288 19.851,-23.288 23.792,-19.347 23.792,-18.839 23.792,-17.964 23.792,-2.744 19.048,2 18.432,2 ; v1(19.65,22.094) 27.423,29.867 28.313,29.867 31.586,33.14 46.346,33.14 54.618,41.412 67.3,41.412 69.047,39.665 69.047,22.525 73.739,17.833 74.18,17.833 74.33,17.683 R21.1@74.33,17.408
DATA14: R20.1 R75.2 U2.41 | length 193.4
  Top Layer w0.3: U2.41@14.254,2.136 U2.41@14.504,2.136
  Top Layer w0.5: v1(25.177,-6.468) v1(27.947,-6.468) ; v1(32.508,0.644) 32.51,0.642 37.218,0.642 40.176,3.6 v1(40.176,12.429)
  Bottom Layer w0.3: U2.41@14.504,2.136 14.504,2.211 15.293,3 18.432,3
  Bottom Layer w0.5: R75.2@-50.296,-22.89 -50.296,-17.386 -48.547,-15.637 -38.491,-15.637 -28.96,-25.168 11.658,-25.168 12.538,-24.288 20.265,-24.288 25.177,-19.376 v1(25.177,-6.468) ; 18.432,3 19.462,3 25.177,-2.715 25.177,-6.179 v1@25.032,-6.324 ; v1(27.947,-6.468) 27.947,-6.457 32.508,-1.896 v1(32.508,0.644) ; v1(40.176,12.429) 40.176,18.472 44.7,22.996 61.972,22.996 63.496,21.472 67.958,21.472 69.283,20.147 69.326,20.147 74.33,15.143 R20.1@74.33,14.868
DATA15: R19.1 R73.2 U2.42 | length 193.6
  Top Layer w0.3: U2.42@16.254,4.136 U2.42@16.504,4.136
  Top Layer w0.5: v1(30.476,6.74) 30.476,6.948 31.492,7.964 v1(31.492,10.594)
  Bottom Layer w0.3: U2.42@16.504,4.136 16.64,4 18.432,4
  Bottom Layer w0.5: R73.2@-48.772,-26.28 -48.772,-17.276 -48.133,-16.637 -38.905,-16.637 -29.374,-26.168 12.072,-26.168 12.952,-25.288 20.679,-25.288 26.562,-19.405 26.562,-2.686 ; 18.432,4 19.876,4 26.562,-2.686 ; v1(30.476,6.74) 30.476,-0.372 28.162,-2.686 26.562,-2.686 ; v1(31.492,10.594) 40.4,10.594 41.561,11.755 41.561,18.443 45.114,21.996 61.448,21.996 62.988,20.456 67.317,20.456 72.624,15.149 72.624,14.309 74.33,12.603 R19.1@74.33,12.328
DCM-EN-PWM: U2.26 U4.9 | length 51
  Top Layer w0.3: U2.26@16.504,-11.864 17.368,-11 18.432,-11
  Top Layer w0.5: 18.432,-11 31.946,-11 33.254,-9.692 34.652,-9.692 35.614,-8.73 45.438,-8.73 58.946,-22.238 58.946,-23.646 U4.9@59.11,-23.81
DCM-IN1: U2.28 U4.10 | length 52.9
  Top Layer w0.3: U2.28@16.504,-9.864 18.432,-9.864
  Top Layer w0.5: 18.432,-9.864 31.668,-9.864 32.84,-8.692 34.238,-8.692 35.2,-7.73 45.852,-7.73 61.65,-23.528 U4.10@61.65,-23.81
DCM-IN2: U2.29 U4.15 | length 69.4
  Top Layer w0.3: U2.29@14.504,-9.864 14.504,-9.789 15.293,-9 16.707,-9 16.843,-8.864 18.432,-8.864
  Top Layer w0.5: 18.432,-8.864 31.254,-8.864 32.426,-7.692 33.824,-7.692 34.786,-6.73 46.266,-6.73 58.704,-19.168 71.624,-19.168 74.35,-21.894 U4.15@74.35,-23.81
DM-CLK: U2.47 U9.14 | length 58.1
  Bottom Layer w0.3: U2.47@14.504,8.136 14.504,8.211 15.293,9 18.296,9 18.432,9.136
  Bottom Layer w0.5: 18.432,9.136 26.344,9.136 27.271,8.209 41.597,8.209 43.561,10.173 43.561,17.614 45.943,19.996 60.456,19.996 U9.14@61.251,19.2 ; U9.14@61.158,19.106 61.191,19.073 61.191,18.163 U9.14@61.21,18.144